# Altium PCB RaspberryPi_ComputeModule3.PcbDoc
Units mil, origin at the board's own origin, x right, y up, seen from the top; angles counter-clockwise.
Board outline 6000 x 4000 mil, 2 copper layers (Top Layer, Bottom Layer); 86 components, 153 nets, 679 pads, 0 vias.
Unrouted connection lines stored in the file: 489.
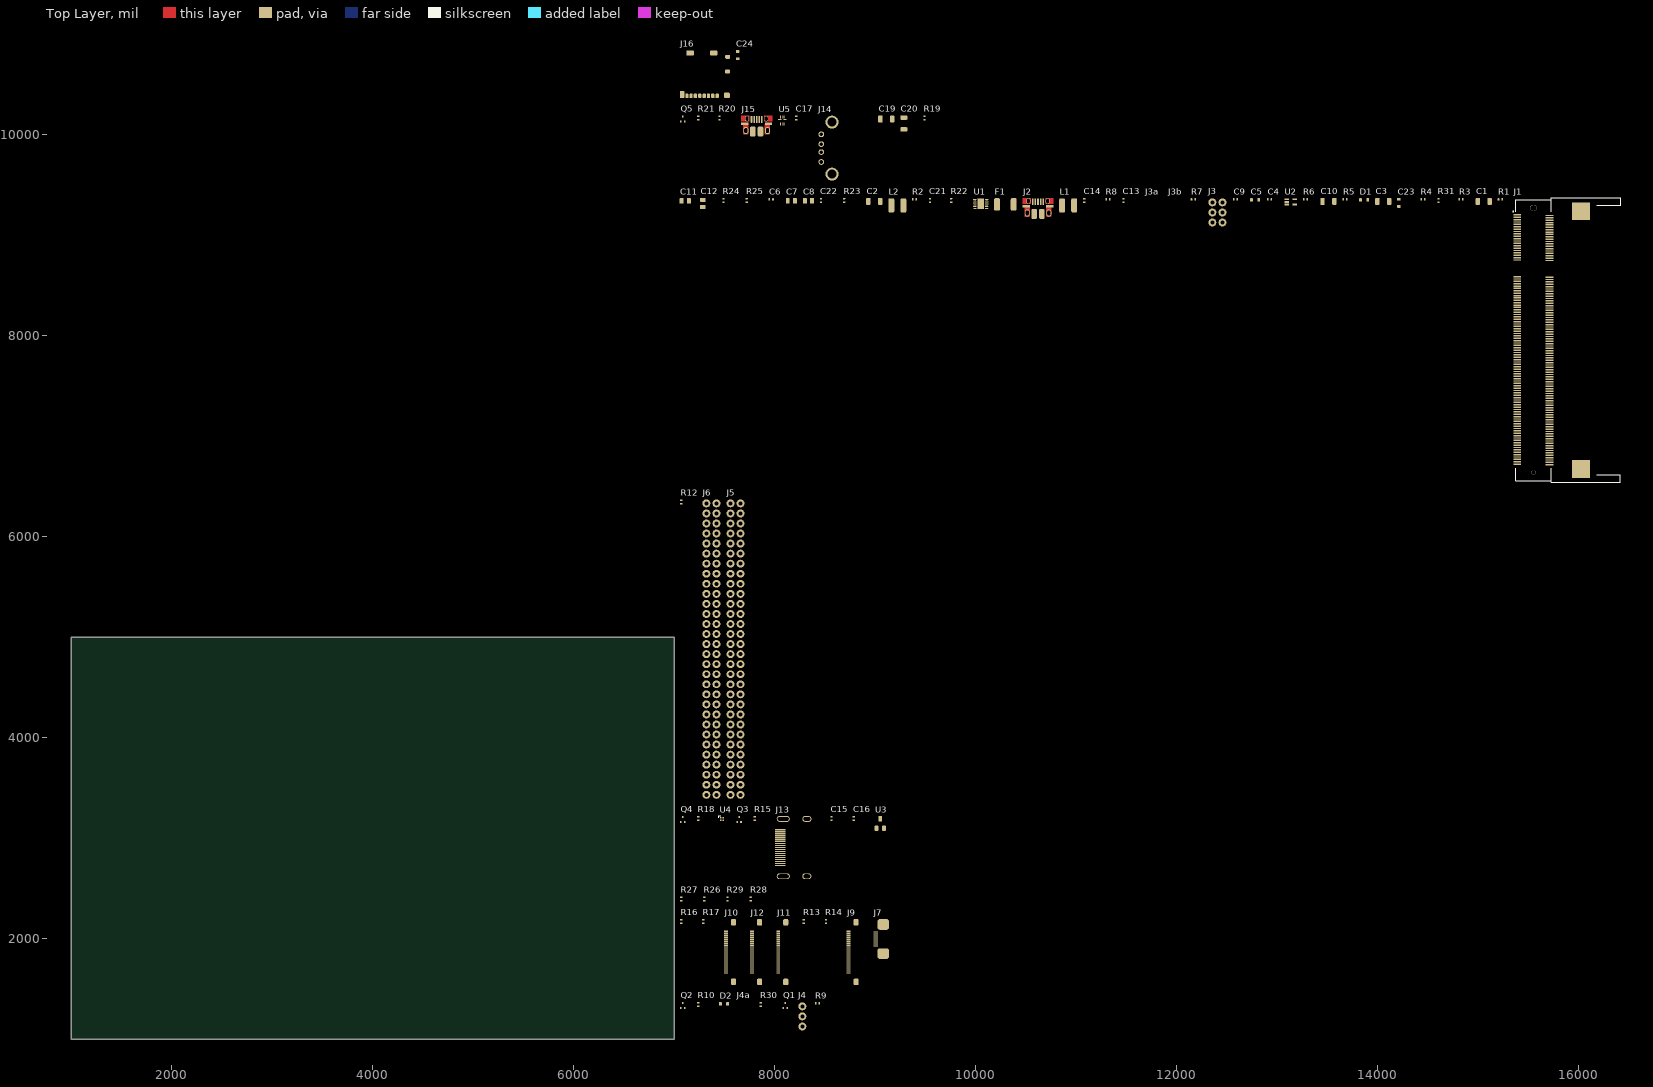
[diagram p0: Top Layer view]
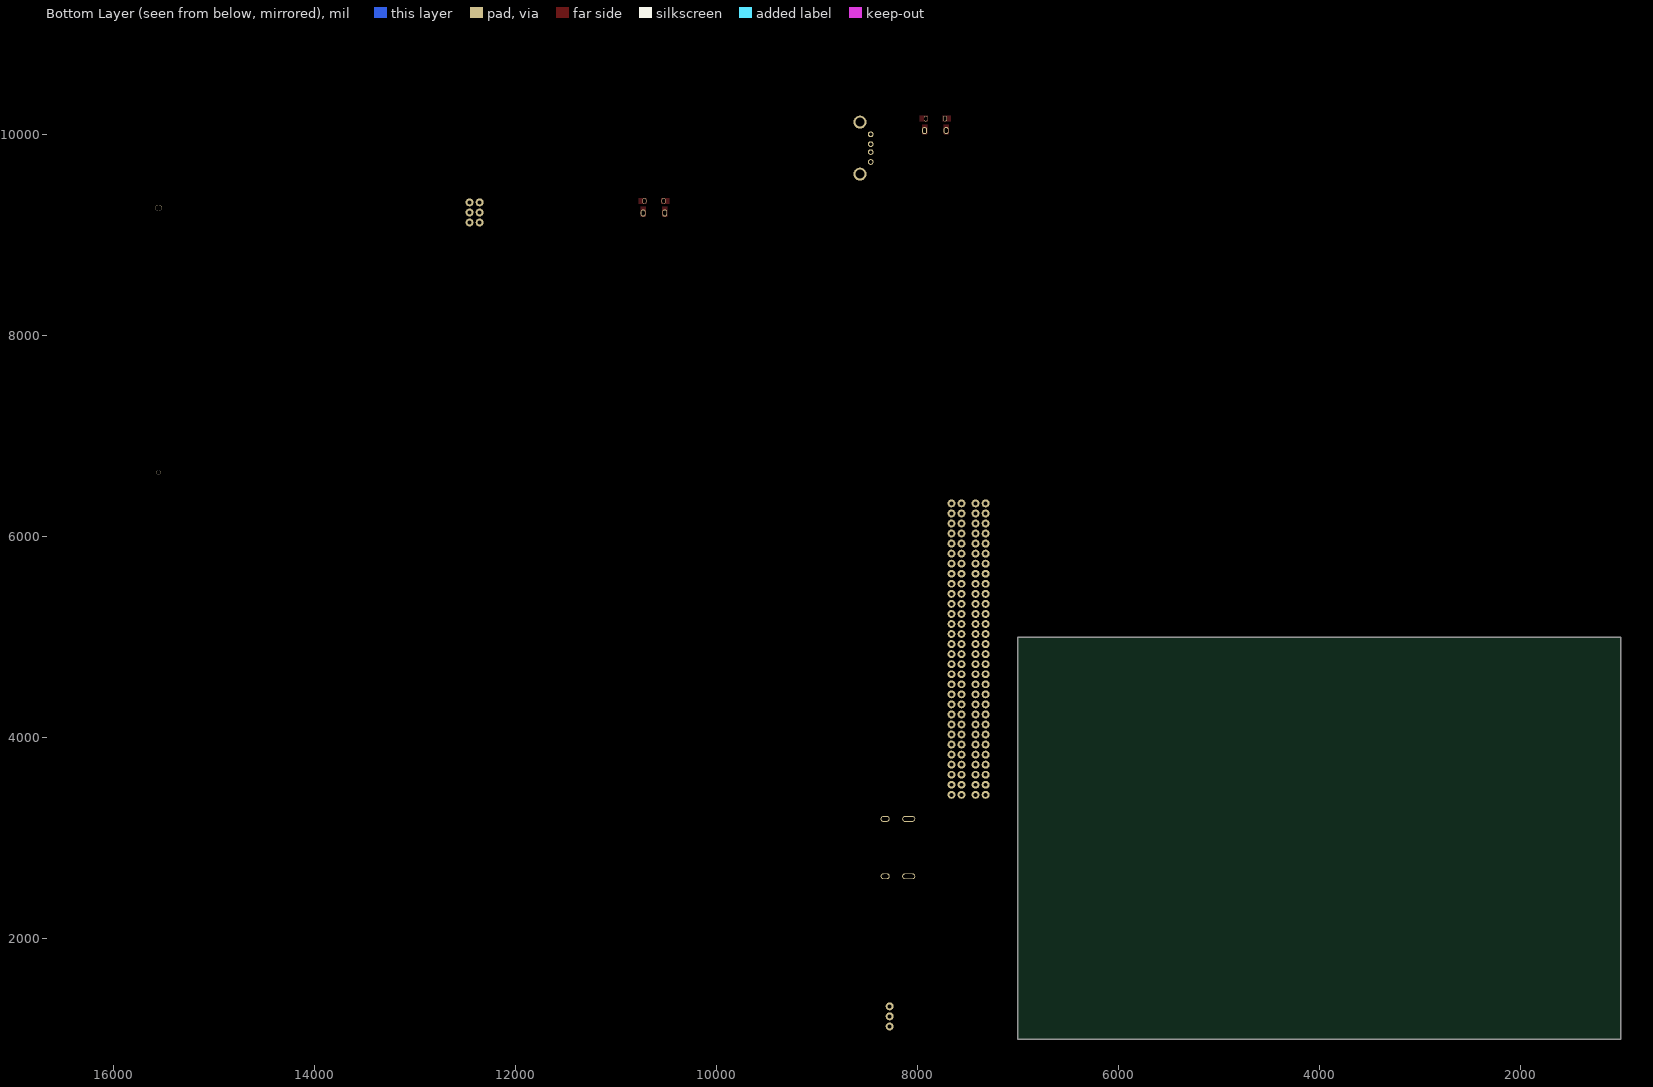
[diagram p1: Bottom Layer view, seen from below]

## Layer stack, top to bottom
Top Solder: solder mask 0.4, Solder Resist, Dk 3.5
Top Layer: signal copper 1.4
Dielectric 1: dielectric 12.6, FR-4, Dk 4.8
Bottom Layer: signal copper 1.4
Bottom Solder: solder mask 0.4, Solder Resist, Dk 3.5

## Board outline
1000,1000 7000,1000 7000,5000 1000,5000

## Design rules (kind name [scope] priority, off if disabled: settings)
Clearance [All] p1: gap=10 ignorepadtopadclearanceinfootprint=FALSE except(0: Arc-Hole Track-Hole SMDPad-Hole THPad-Hole Via-Hole Fill-Hole Poly-Hole Region-Hole Text-Hole)
PolygonConnect [All] p1: connectstyle=Relief reliefconductorwidth=10 reliefentries=4 polygonreliefangle="90 Angle" airgapwidth=10
RoomDefinition RP_ComputeModule3_rev.3.0_uSDCard [InComponentClass('RP_ComputeModule3_rev.3.0_uSDCard')] p1: confinementstyle=ConfineIn formatcopy=TRUE lockcomponents=FALSE outline 7045,10350 7795,10350 7795,10950 7045,10950
RoomDefinition RP_ComputeModule3_rev.3.0_USB [InComponentClass('RP_ComputeModule3_rev.3.0_USB')] p2: confinementstyle=ConfineIn formatcopy=TRUE lockcomponents=FALSE outline 7045,9530 9650,9530 9650,10300 7045,10300
RoomDefinition RP_ComputeModule3_rev.3.0_POWER [InComponentClass('RP_ComputeModule3_rev.3.0_POWER')] p3: confinementstyle=ConfineIn formatcopy=TRUE lockcomponents=FALSE outline 7045,6530 16430,6530 16430,9480 7045,9480
RoomDefinition RP_ComputeModule3_rev.3.0_Headers [InComponentClass('RP_ComputeModule3_rev.3.0_Headers')] p4: confinementstyle=ConfineIn formatcopy=TRUE lockcomponents=FALSE outline 7045,3380 7715,3380 7715,6480 7045,6480
RoomDefinition RP_ComputeModule3_rev.3.0_HDMi [InComponentClass('RP_ComputeModule3_rev.3.0_HDMi')] p5: confinementstyle=ConfineIn formatcopy=TRUE lockcomponents=FALSE outline 7045,2580 9120,2580 9120,3330 7045,3330
RoomDefinition RP_ComputeModule3_rev.3.0_GPIOs [InComponentClass('RP_ComputeModule3_rev.3.0_GPIOs')] p6: confinementstyle=ConfineIn formatcopy=TRUE lockcomponents=FALSE outline 7045,2360 7930,2360 7930,2530 7045,2530
RoomDefinition RP_ComputeModule3_rev.3.0_Displays [InComponentClass('RP_ComputeModule3_rev.3.0_Displays')] p7: confinementstyle=ConfineIn formatcopy=TRUE lockcomponents=FALSE outline 7045,1525 9150,1525 9150,2305 7045,2305
RoomDefinition RP_ComputeModule3_rev.3.0_BootSelector [InComponentClass('RP_ComputeModule3_rev.3.0_BootSelector')] p8: confinementstyle=ConfineIn formatcopy=TRUE lockcomponents=FALSE outline 7045,1060 8525,1060 8525,1480 7045,1480
RoutingVias [All] p1: holewidth=28 width=50 viastyle="Through Hole" minholewidth=28 minwidth=50 maxholewidth=28 maxwidth=50
SolderMaskExpansion [All] p1: expansion=4
Width [All] p1: maxlimit=10 minlimit=10 preferedwidth=10
30 further rules are at their usual default settings.

## Classes and differential pairs
component class RP_ComputeModule3_rev.3.0_uSDCard: C24 J16
component class RP_ComputeModule3_rev.3.0_USB: C17 C19 C20 J14 J15 Q5 R19 R20 R21 U5
component class RP_ComputeModule3_rev.3.0_POWER: C1 C2 C3 C4 C5 C6 C7 C8 C9 C10 C11 C12 C13 C14 C21 C22 C23 D1 F1 J1 J2 J3 J3a J3b L1 L2 R1 R2 R3 R4 R5 R6 R7 R8 R22 R23 R24 R25 R31 U1 U2
component class RP_ComputeModule3_rev.3.0_Headers: J5 J6 R12
component class RP_ComputeModule3_rev.3.0_HDMi: C15 C16 J13 Q3 Q4 R15 R18 U3 U4
component class RP_ComputeModule3_rev.3.0_GPIOs: R26 R27 R28 R29
component class RP_ComputeModule3_rev.3.0_Displays: J7 J9 J10 J11 J12 R13 R14 R16 R17
component class RP_ComputeModule3_rev.3.0_BootSelector: D2 J4 J4a Q1 Q2 R9 R10 R30

## Components (designator, comment, footprint, x,y, rotation, side; value= is the part's Value field where it differs from the comment)
C1 "47uF" "MURATA C1206 / CAPC3216X94N" 15055,9335 r0 top
C2 "47uF" "MURATA C1206 / CAPC3216X94N" 8990,9335 r0 top
C3 "47uF" "MURATA C1206 / CAPC3216X94N" 14055,9335 r0 top
C4 "1uF" "TDK 0402 C" 12925,9355 r0 top
C5 "4.7u" "0603 Murata" 12780,9350 r0 top
C6 "100nF" "GJM 0402 C" 7965,9355 r0 top
C7 "10uF" "0805 CGA Series" 8165,9340 r0 top
C8 "10uF" "0805 CGA Series" 8335,9340 r0 top
C9 "100nF" "GJM 0402 C" 12585,9355 r0 top
C10 "47uF" "MURATA C1206 / CAPC3216X94N" 13510,9335 r0 top
C11 "10uF" "0805 CGA Series" 7110,9340 r0 top
C12 "10uF" "0805 CGA Series" 7285,9315 r90 top
C13 "1uF" "TDK 0402 C" 11470,9345 r90 top
C14 "1uF" "TDK 0402 C" 11080,9345 r90 top
C15 "100nF" "GJM 0402 C" 8565,3195 r90 top
C16 "100nF" "GJM 0402 C" 8785,3195 r90 top
C17 "100nF" "GJM 0402 C" 8215,10165 r90 top
C19 "47uF" "MURATA C1206 / CAPC3216X94N" 9110,10155 r0 top
C20 "47uF" "MURATA C1206 / CAPC3216X94N" 9285,10110 r90 top
C21 "100pF" "Cap0402 MIN Vishay N/A" 9545,9345 r90 top
C22 "100pF" "Cap0402 MIN Vishay N/A" 8460,9345 r90 top
C23 "4.7u" "0603 Murata" 14210,9320 r90 top
C24 "4.7u" "0603 Murata" 7630,10790 r90 top
D1 "RED" "ROHM 0603 LED" 13865,9350 r0 top
D2 "GREEN" "ROHM 0603 LED" 7495,1350 r0 top
F1 "MF-MSMF200" "Bourns MF-MSMF (Style1)" 10295,9305 r0 top
J1 "DDR2 SODIMM" "TE 1473005-4 (DDR2 SO-DIMM)" 15550,7955 r90 top
J2 "10103594-0001LF" FCI_10103594-0001LF 10620,9220 r0 top
J3 "67997-206HLF" "Amphenol 2x6 PINS 67997-206HLF" 12455,9125 r90 top
J3a "Jumper" "Kobiconn 151-8011-E (Blue)" 11725,9275 r90 top
J3b "Jumper" "Kobiconn 151-8011-E (Blue)" 11955,9275 r90 top
J4 "TSW-103-07-S-S" "Samtec TSW-103-07-S-S" 8275,1225 r90 top
J4a "Jumper" "Kobiconn 151-8011-E (Blue)" 7660,1275 r90 top
J5 "8-146256-0" "TE 2x30 PINS 8-146256-0" 7660,3430 r90 top
J6 "8-146256-0" "TE 2x30 PINS 8-146256-0" 7420,3430 r90 top
J7 "68710814522 (N/A)" "WE 68710814522 N/A" 9080,1995 r90 top
J9 "54548-2271" "Molex 54548-2271" 8735,1865 r90 top
J10 "54548-2271" "Molex 54548-2271" 7515,1865 r90 top
J11 "54548-2271" "Molex 54548-2271" 8035,1865 r90 top
J12 "54548-2271" "Molex 54548-2271" 7775,1865 r90 top
J13 "47151-1051" "Molex 471511051 HDMi" 8085,2905 r90 top
J14 "61400416021" "WE USB connector 61400416021" 8570,9865 r90 top
J15 "10103594-0001LF" FCI_10103594-0001LF 7820,10040 r0 top
J16 "104031-0811" "MOLEX 104031-0811" 7305,10590 r0 top
L1 "4.7uH" "Bourns SRN4018" 10920,9295 r0 top
L2 "4.7uH" "Bourns SRN4018" 9220,9295 r0 top
Q1 "DMG1012TQ-7" "Diodes SOT523" 8105,1335 r0 top
Q2 "DMG1012TQ-7" "Diodes SOT523" 7085,1335 r0 top
Q3 "DMG1012TQ-7" "Diodes SOT523" 7645,3185 r0 top
Q4 "DMG1012TQ-7" "Diodes SOT523" 7085,3185 r0 top
Q5 "DMG1012TQ-7" "Diodes SOT523" 7085,10155 r0 top
R1 "0R" "YAGEO RES0402" 15220,9355 r0 top
R2 "100K" RES0402 9390,9355 r0 top
R3 "470R" "Vishay RES0402" 14830,9355 r0 top
R4 "0R" "YAGEO RES0402" 14450,9355 r0 top
R5 "0R" "YAGEO RES0402" 13675,9355 r0 top
R6 "0R" "YAGEO RES0402" 13280,9355 r0 top
R7 "0R" "YAGEO RES0402" 12165,9355 r0 top
R8 "0R" "YAGEO RES0402" 11315,9355 r0 top
R9 "470R" "Vishay RES0402" 8425,1355 r0 top
R10 "100K" RES0402 7240,1345 r90 top
R12 "1K" RES0402 7070,6345 r90 top
R13 "1.8K" RES0402 8290,2170 r90 top
R14 "1.8K" RES0402 8510,2170 r90 top
R15 "N/A" RES0402N/A 7800,3195 r90 top
R16 "1.8K" RES0402 7070,2170 r90 top
R17 "1.8K" RES0402 7290,2170 r90 top
R18 "100K" RES0402 7240,3195 r90 top
R19 "0R" "YAGEO RES0402" 9490,10165 r90 top
R20 "47K" "Vishay Beyschlag MCS0402" 7450,10165 r90 top
R21 "47K" "Vishay Beyschlag MCS0402" 7240,10165 r90 top
R22 "0R" "Vishay Beyschlag MCS0402" 9755,9345 r90 top
R23 "0R" "Vishay Beyschlag MCS0402" 8690,9345 r90 top
R24 "N/A" RES0402N/A 7490,9345 r90 top
R25 "N/A" RES0402N/A 7720,9345 r90 top
R26 "100K" RES0402 7300,2395 r90 top
R27 "100K" RES0402 7070,2395 r90 top
R28 "100K" RES0402 7760,2395 r90 top
R29 "100K" RES0402 7530,2395 r90 top
R30 "47K" "Vishay Beyschlag MCS0402" 7860,1345 r90 top
R31 "0R" "YAGEO RES0402" 14605,9345 r90 top
U1 "PAM2306AYPKE" DIODES_SON45P300X300X80-13N 10050,9310 r0 top
U2 "AP7115-25SEG" Diodes_SOT353_SC70-5_SOT65P210X110-5N 13135,9330 r0 top
U3 "AP2331W-7" "DiodesInc SC59-BEC" 9050,3145 r0 top
U4 "ESD5384NCTBG" "ONSemi CSP-9" 7475,3190 r0 top
U5 "FSUSB42UMX" "Fairchild/OnSemi - UMLP (FSUSB42)" 8075,10140 r0 top

## Footprints (in the part's own frame and the unit in brackets; to place one, negate y for a bottom-side part, rotate by r counter-clockwise, add the part's x,y. Pads: shape width x height; smd on the part's side, far side on the other; paste and mask are expansions set on the pad)
"0603 Murata" [mm] "IPC Medium Density"
  rrect50% 0.7x0.9 smd: 1(-0.9,0) 2(0.9,0)
  body extent -0.8,-0.4 0.8,0.4, height 0.3
"0805 CGA Series" [mm] "Chip Capacitor, Body 2.0x1.2mm, EIA 0805, IPC Medium Density"
  rrect25% 1x1.4 smd: 1(-0.9,0) 2(0.9,0)
  body extent -1.1,-0.72 1.1,0.73, height 1.34
"Amphenol 2x6 PINS 67997-206HLF" [mm]
  round 2 hole 1: 1(0,0) 2(0,2.54) 3(2.54,0) 4(2.54,2.54) 5(5.08,0) 6(5.08,2.54)
  body extent -1.27,-1.27 6.35,3.81, height 8.38
"Bourns MF-MSMF (Style1)" [mm] "Bourns MF-MSMF"
  rrect50% 1.5x3.2 smd: 1(-2.1,0) 2(2.1,0)
  body extent -2.28,-1.62 2.28,1.62, height 0.71
"Bourns SRN4018" [mm] "Bourns SRN4018"
  rrect50% 1.5x3.6 smd: 1(-1.525,0) 2(1.525,0)
  body extent -2.2,-2 2.2,2, height 1.8
"Cap0402 MIN Vishay N/A" [mm]
  rrect50% 0.4x0.6 smd: 1(-0.45,0) 2(0.45,0)
"Diodes SOT523" [mm] "Diodes SOT523"
  rrect50% 0.4x0.51 smd: D(0,0.65) G(-0.5,-0.65) S(0.5,-0.65)
  body extent -0.8,-0.8 0.8,0.8, height 0.8
DIODES_SON45P300X300X80-13N [mm]
  oval 0.8x0.25 smd: 1(-1.5,1.125) 2(-1.5,0.675) 3(-1.5,0.225) 4(-1.5,-0.225) 5(-1.5,-0.675) 6(-1.5,-1.125) 7(1.5,-1.125) 8(1.5,-0.675) 9(1.5,-0.225) 10(1.5,0.225) 11(1.5,0.675) 12(1.5,1.125)
  rrect10% 1.75x2.65 smd: 13(0,0)
  body extent -1.53,-1.53 1.54,1.52, height 0.77
Diodes_SOT353_SC70-5_SOT65P210X110-5N [mil]
  rrect50% 46x18 smd: 1(-41,26) 2(-41,0) 3(-41,-26) 4(41,-26) 5(41,26)
  body extent -45,-41 45,41, height 39
"DiodesInc SC59-BEC" [mm]
  rrect50% 1x1.4 smd: GND(-0.95,-1.2) IN(0,1.2) OUT(0.95,-1.2)
  body extent -1.5,-1.39 1.5,1.41, height 1.4
"Fairchild/OnSemi - UMLP (FSUSB42)" [mm]
  rrect50% 0.91x0.22 smd: 1(-0.6,0.2)
  rrect50% 0.81x0.22 smd: 2(-0.65,-0.2) 6(0.65,-0.2) 7(0.65,0.2)
  rrect50% 0.22x0.81 smd: 3(-0.4,-0.85) 4(0,-0.85) 5(0.4,-0.85) 8(0.4,0.85) 9(0,0.85) 10(-0.4,0.85)
  body extent -0.71,-0.91 0.71,0.91, height 0.48
FCI_10103594-0001LF [mm]
  rrect50% 0.4x1.75 smd: 1(-1.3,2.825) 2(-0.65,2.825) 3(0,2.825) 4(0.65,2.825) 5(1.3,2.825)
  oval 1x1.4 hole 0.65 slot 1.05 at 90 deg: 6(-2.425,3.03) 8(2.425,3.03)
  rect 1.825x0.7 smd: 7(-2.987,1.7) 9(2.987,1.7)
  oval 1.26x1.8 hole 0.7 slot 1.2 at 90 deg: 7(-2.725,0) 9(2.725,0)
  rrect50% 1.425x2.5 smd: 10(-0.963,-0.25) 11(0.963,-0.25)
  Top Layer region: 2.425,2.5 2.425,2.3 3.9,2.3 3.9,3.76 2.425,3.76 2.425,3.56 2.434,3.56 2.451,3.559 2.468,3.557 2.485,3.555 2.502,3.551 2.519,3.547 2.535,3.541 2.551,3.535 2.567,3.528 2.583,3.52 2.597,3.511 2.612,3.502 2.626,3.492 2.639,3.481 2.652,3.469 2.664,3.457 2.676,3.444 2.687,3.431 2.697,3.417 2.706,3.402 2.715,3.388 2.723,3.372 2.73,3.356 2.736,3.34 2.742,3.324 2.746,3.307 2.75,3.29 2.752,3.273 2.754,3.256 2.755,3.239 2.755,3.23 2.755,3.03 2.755,2.83 2.755,2.821 2.754,2.804 2.752,2.787 2.75,2.77 2.746,2.753 2.742,2.736 2.736,2.72 2.73,2.704 2.723,2.688 2.715,2.672 2.706,2.658 2.697,2.643 2.687,2.629 2.676,2.616 2.664,2.603 2.652,2.591 2.639,2.579 2.626,2.568 2.612,2.558 2.597,2.549 2.583,2.54 2.567,2.532 2.551,2.525 2.535,2.519 2.519,2.513 2.502,2.509 2.485,2.505 2.468,2.503 2.451,2.501 2.434,2.5 2.425,2.5
  Top Layer region: 2.494,2.496 2.503,2.3 1.9,2.3 1.9,3.76 2.503,3.76 2.503,3.563 2.399,3.559 2.382,3.557 2.365,3.555 2.348,3.551 2.331,3.547 2.315,3.541 2.299,3.535 2.283,3.528 2.267,3.52 2.253,3.511 2.238,3.502 2.224,3.492 2.211,3.481 2.198,3.469 2.186,3.457 2.174,3.444 2.163,3.431 2.153,3.417 2.144,3.402 2.135,3.388 2.127,3.372 2.12,3.356 2.114,3.34 2.108,3.324 2.104,3.307 2.1,3.29 2.098,3.273 2.096,3.256 2.095,3.239 2.095,3.03 2.095,2.83 2.096,2.804 2.098,2.787 2.1,2.77 2.104,2.753 2.108,2.736 2.114,2.72 2.12,2.704 2.127,2.688 2.135,2.672 2.144,2.658 2.153,2.643 2.163,2.629 2.174,2.616 2.186,2.603 2.198,2.591 2.211,2.579 2.224,2.568 2.238,2.558 2.253,2.549 2.267,2.54 2.283,2.532 2.299,2.525 2.315,2.519 2.331,2.513 2.348,2.509 2.365,2.505 2.382,2.503 2.399,2.501
  Top Layer region: -2.425,3.56 -2.425,3.76 -3.9,3.76 -3.9,2.3 -2.425,2.3 -2.425,2.5 -2.434,2.5 -2.451,2.501 -2.468,2.503 -2.485,2.505 -2.502,2.509 -2.519,2.513 -2.535,2.519 -2.551,2.525 -2.567,2.532 -2.583,2.54 -2.597,2.549 -2.612,2.558 -2.626,2.568 -2.639,2.579 -2.652,2.591 -2.664,2.603 -2.676,2.616 -2.687,2.629 -2.697,2.643 -2.706,2.658 -2.715,2.672 -2.723,2.688 -2.73,2.704 -2.736,2.72 -2.742,2.736 -2.746,2.753 -2.75,2.77 -2.752,2.787 -2.754,2.804 -2.755,2.821 -2.755,2.83 -2.755,3.03 -2.755,3.23 -2.755,3.239 -2.754,3.256 -2.752,3.273 -2.75,3.29 -2.746,3.307 -2.742,3.324 -2.736,3.34 -2.73,3.356 -2.723,3.372 -2.715,3.388 -2.706,3.402 -2.697,3.417 -2.687,3.431 -2.676,3.444 -2.664,3.457 -2.652,3.469 -2.639,3.481 -2.626,3.492 -2.612,3.502 -2.597,3.511 -2.583,3.52 -2.567,3.528 -2.551,3.535 -2.535,3.541 -2.519,3.547 -2.502,3.551 -2.485,3.555 -2.468,3.557 -2.451,3.559 -2.434,3.56 -2.425,3.56
  Top Layer region: -2.434,3.559 -2.429,3.76 -1.9,3.76 -1.9,2.3 -2.429,2.3 -2.429,2.5 -2.399,2.501 -2.382,2.503 -2.365,2.505 -2.348,2.509 -2.331,2.513 -2.315,2.519 -2.299,2.525 -2.283,2.532 -2.267,2.54 -2.253,2.549 -2.238,2.558 -2.224,2.568 -2.211,2.579 -2.198,2.591 -2.186,2.603 -2.174,2.616 -2.163,2.629 -2.153,2.643 -2.144,2.658 -2.135,2.672 -2.127,2.688 -2.12,2.704 -2.114,2.72 -2.108,2.736 -2.104,2.753 -2.1,2.77 -2.098,2.787 -2.096,2.804 -2.095,2.821 -2.095,3.03 -2.095,3.23 -2.096,3.256 -2.098,3.273 -2.1,3.29 -2.104,3.307 -2.108,3.324 -2.114,3.34 -2.12,3.356 -2.127,3.372 -2.135,3.388 -2.144,3.402 -2.153,3.417 -2.163,3.431 -2.174,3.444 -2.186,3.457 -2.198,3.469 -2.211,3.481 -2.224,3.492 -2.238,3.502 -2.253,3.511 -2.267,3.52 -2.283,3.528 -2.299,3.535 -2.315,3.541 -2.331,3.547 -2.348,3.551 -2.365,3.555 -2.382,3.557 -2.399,3.559
  Top Layer region: 2.075,1.12 2.075,1.524 3.375,1.524 3.375,1.12
  Top Layer region: 2.725,-0.605 2.725,-0.9 2.315,-0.9 2.305,-0.9 2.299,-0.9 2.287,-0.899 2.275,-0.898 2.263,-0.896 2.251,-0.894 2.24,-0.891 2.228,-0.887 2.217,-0.883 2.206,-0.878 2.195,-0.872 2.185,-0.866 2.175,-0.86 2.165,-0.853 2.156,-0.845 2.147,-0.837 2.138,-0.828 2.13,-0.819 2.122,-0.81 2.115,-0.8 2.109,-0.79 2.103,-0.78 2.097,-0.769 2.092,-0.758 2.088,-0.747 2.084,-0.735 2.081,-0.724 2.079,-0.712 2.077,-0.7 2.076,-0.688 2.075,-0.676 2.075,-0.67 2.075,1.12 2.075,1.126 2.076,1.138 2.077,1.15 2.079,1.162 2.081,1.174 2.084,1.185 2.088,1.197 2.092,1.208 2.097,1.219 2.103,1.23 2.109,1.24 2.115,1.25 2.122,1.26 2.13,1.269 2.138,1.278 2.147,1.287 2.156,1.295 2.165,1.303 2.175,1.31 2.185,1.316 2.195,1.322 2.206,1.328 2.217,1.333 2.228,1.337 2.24,1.341 2.251,1.344 2.263,1.346 2.275,1.348 2.287,1.349 2.299,1.35 2.305,1.35 2.31,1.35 2.725,1.35 2.725,0.605 2.716,0.605 2.697,0.604 2.679,0.602 2.66,0.599 2.642,0.595 2.624,0.59 2.606,0.585 2.589,0.578 2.572,0.571 2.556,0.562 2.539,0.553 2.524,0.543 2.509,0.532 2.494,0.52 2.481,0.508 2.467,0.494 2.455,0.481 2.443,0.466 2.432,0.451 2.422,0.436 2.413,0.419 2.404,0.403 2.397,0.386 2.39,0.369 2.385,0.351 2.38,0.333 2.376,0.315 2.373,0.296 2.371,0.278 2.37,0.259 2.37,0.25 2.37,0 2.37,-0.25 2.37,-0.259 2.371,-0.278 2.373,-0.296 2.376,-0.315 2.38,-0.333 2.385,-0.351 2.39,-0.369 2.397,-0.386 2.404,-0.403 2.413,-0.419 2.422,-0.436 2.432,-0.451 2.443,-0.466 2.455,-0.481 2.467,-0.494 2.481,-0.508 2.494,-0.52 2.509,-0.532 2.524,-0.543 2.539,-0.553 2.556,-0.562 2.572,-0.571 2.589,-0.578 2.606,-0.585 2.624,-0.59 2.642,-0.595 2.66,-0.599 2.679,-0.602 2.697,-0.604 2.716,-0.605 2.725,-0.605
  Top Layer region: 2.579,0.613 2.57,1.35 3.375,1.35 3.375,-0.66 3.374,-0.679 3.371,-0.704 3.365,-0.728 3.357,-0.752 3.346,-0.775 3.333,-0.796 3.318,-0.816 3.3,-0.834 3.281,-0.85 3.26,-0.865 3.238,-0.877 3.215,-0.886 3.191,-0.893 3.166,-0.898 3.141,-0.9 2.725,-0.9 2.725,-0.605 2.753,-0.604 2.771,-0.602 2.79,-0.599 2.808,-0.595 2.826,-0.59 2.844,-0.585 2.861,-0.578 2.878,-0.571 2.894,-0.562 2.911,-0.553 2.926,-0.543 2.941,-0.532 2.956,-0.52 2.969,-0.508 2.983,-0.494 2.995,-0.481 3.007,-0.466 3.018,-0.451 3.028,-0.436 3.037,-0.419 3.046,-0.403 3.053,-0.386 3.06,-0.369 3.066,-0.351 3.07,-0.333 3.074,-0.315 3.077,-0.296 3.079,-0.278 3.08,-0.259 3.08,0 3.08,0.25 3.079,0.278 3.077,0.296 3.074,0.315 3.07,0.333 3.066,0.351 3.06,0.369 3.053,0.386 3.046,0.403 3.037,0.419 3.028,0.436 3.018,0.451 3.007,0.466 2.995,0.481 2.983,0.494 2.969,0.508 2.956,0.52 2.941,0.532 2.926,0.543 2.911,0.553 2.894,0.562 2.878,0.571 2.861,0.578 2.844,0.585 2.826,0.59 2.808,0.595 2.79,0.599 2.771,0.602 2.753,0.604
  Top Layer region: -3.375,1.12 -3.375,1.524 -2.075,1.524 -2.075,1.12
  Top Layer region: -2.725,-0.605 -2.725,-0.9 -3.135,-0.9 -3.145,-0.9 -3.151,-0.9 -3.163,-0.899 -3.175,-0.898 -3.187,-0.896 -3.199,-0.894 -3.21,-0.891 -3.222,-0.887 -3.233,-0.883 -3.244,-0.878 -3.255,-0.872 -3.265,-0.866 -3.275,-0.86 -3.285,-0.853 -3.294,-0.845 -3.303,-0.837 -3.312,-0.828 -3.32,-0.819 -3.328,-0.81 -3.335,-0.8 -3.341,-0.79 -3.347,-0.78 -3.353,-0.769 -3.358,-0.758 -3.362,-0.747 -3.366,-0.735 -3.369,-0.724 -3.371,-0.712 -3.373,-0.7 -3.374,-0.688 -3.375,-0.676 -3.375,-0.67 -3.375,1.12 -3.375,1.126 -3.374,1.138 -3.373,1.15 -3.371,1.162 -3.369,1.174 -3.366,1.185 -3.362,1.197 -3.358,1.208 -3.353,1.219 -3.347,1.23 -3.341,1.24 -3.335,1.25 -3.328,1.26 -3.32,1.269 -3.312,1.278 -3.303,1.287 -3.294,1.295 -3.285,1.303 -3.275,1.31 -3.265,1.316 -3.255,1.322 -3.244,1.328 -3.233,1.333 -3.222,1.337 -3.21,1.341 -3.199,1.344 -3.187,1.346 -3.175,1.348 -3.163,1.349 -3.151,1.35 -3.145,1.35 -3.14,1.35 -2.725,1.35 -2.725,0.605 -2.734,0.605 -2.753,0.604 -2.771,0.602 -2.79,0.599 -2.808,0.595 -2.826,0.59 -2.844,0.585 -2.861,0.578 -2.878,0.571 -2.894,0.562 -2.911,0.553 -2.926,0.543 -2.941,0.532 -2.956,0.52 -2.969,0.508 -2.983,0.494 -2.995,0.481 -3.007,0.466 -3.018,0.451 -3.028,0.436 -3.037,0.419 -3.046,0.403 -3.053,0.386 -3.06,0.369 -3.066,0.351 -3.07,0.333 -3.074,0.315 -3.077,0.296 -3.079,0.278 -3.08,0.259 -3.08,0.25 -3.08,0 -3.08,-0.25 -3.08,-0.259 -3.079,-0.278 -3.077,-0.296 -3.074,-0.315 -3.07,-0.333 -3.066,-0.351 -3.06,-0.369 -3.053,-0.386 -3.046,-0.403 -3.037,-0.419 -3.028,-0.436 -3.018,-0.451 -3.007,-0.466 -2.995,-0.481 -2.983,-0.494 -2.969,-0.508 -2.956,-0.52 -2.941,-0.532 -2.926,-0.543 -2.911,-0.553 -2.894,-0.562 -2.878,-0.571 -2.861,-0.578 -2.844,-0.585 -2.826,-0.59 -2.808,-0.595 -2.79,-0.599 -2.771,-0.602 -2.753,-0.604 -2.734,-0.605 -2.725,-0.605